# Altium PCB PCB_Droppy_v1.PcbDoc
Units mm, origin at the board's own origin, x right, y up, seen from the top; angles counter-clockwise.
Board outline 39 x 78 mm, 4 copper layers (Top Layer, Int1 (GND), Int2 (PWR), Bottom Layer), stack 1.54 mm thick; 48 components, 41 nets, 259 pads, 52 vias.
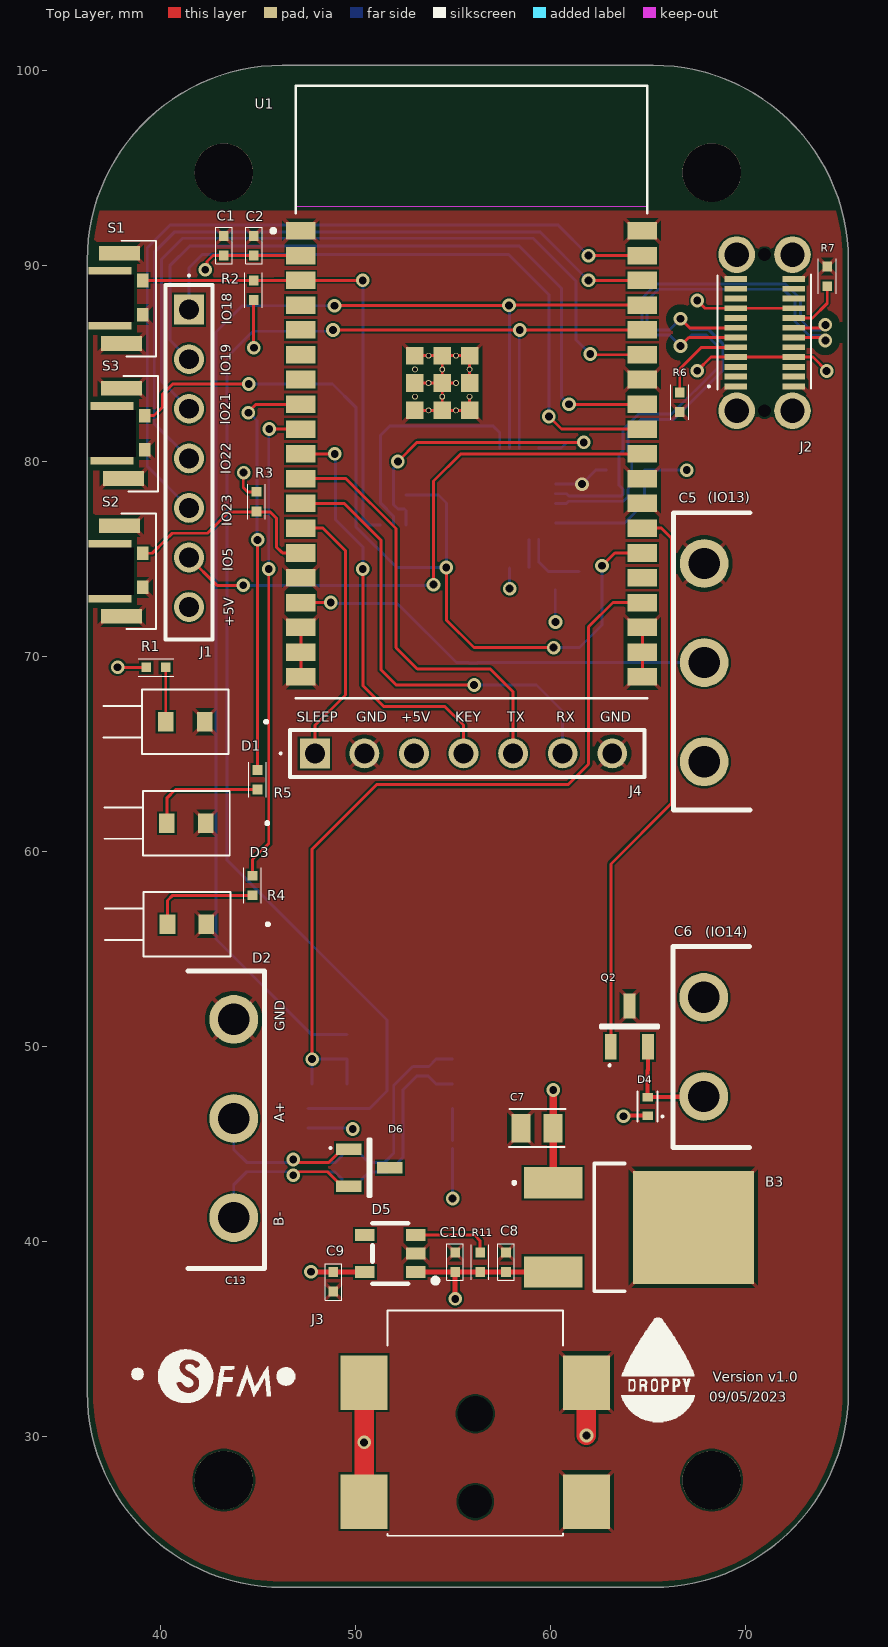
[diagram p0: Top Layer view]
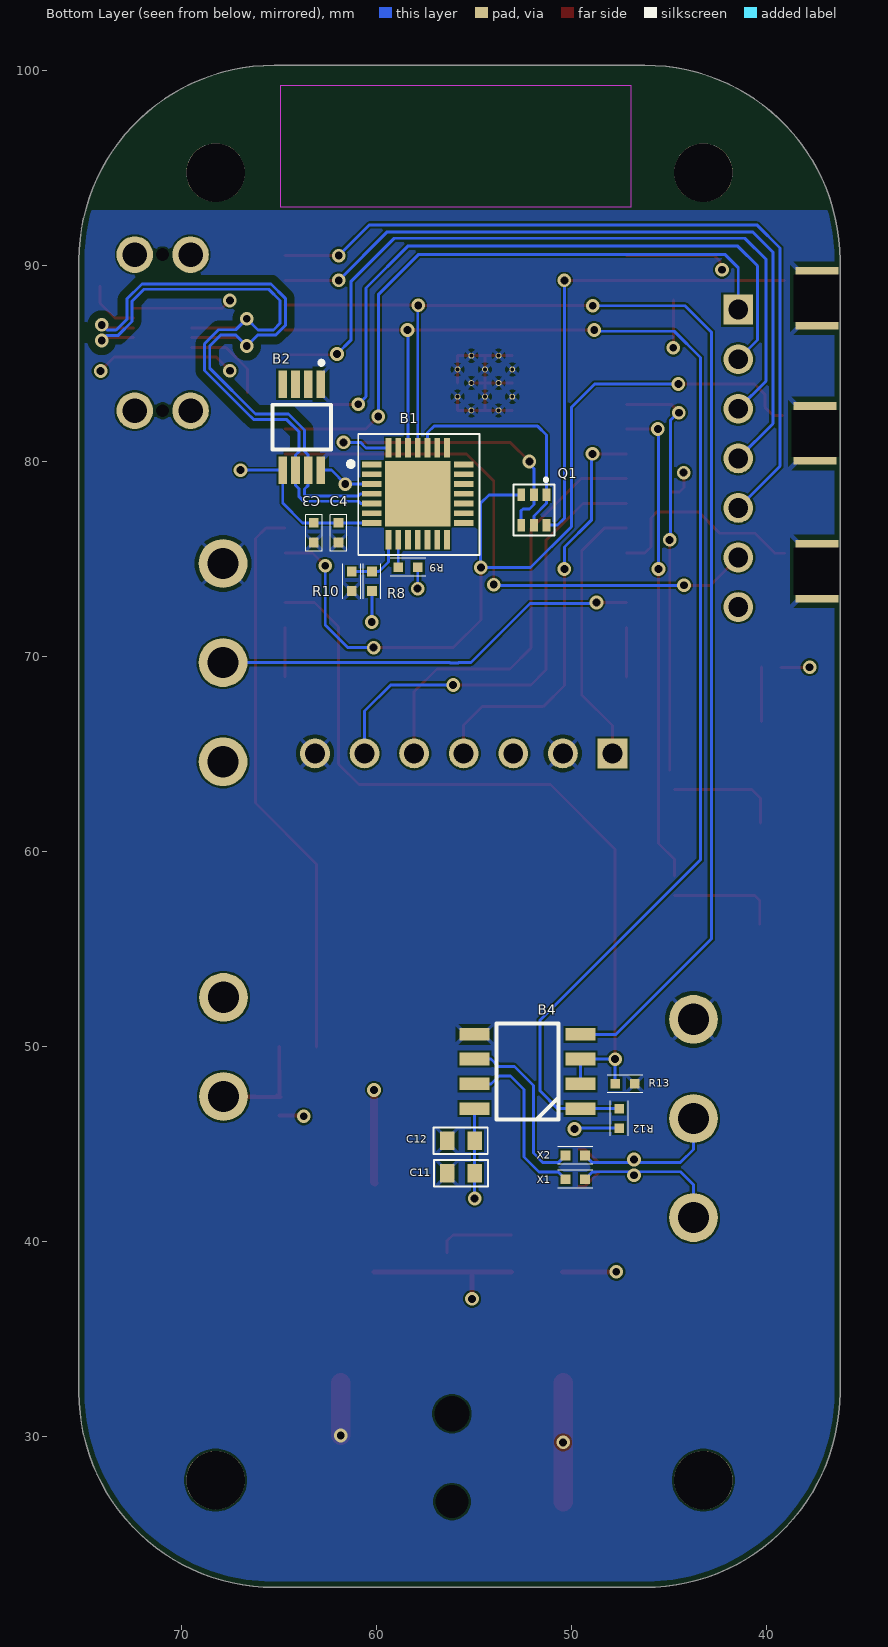
[diagram p1: Bottom Layer view, seen from below]
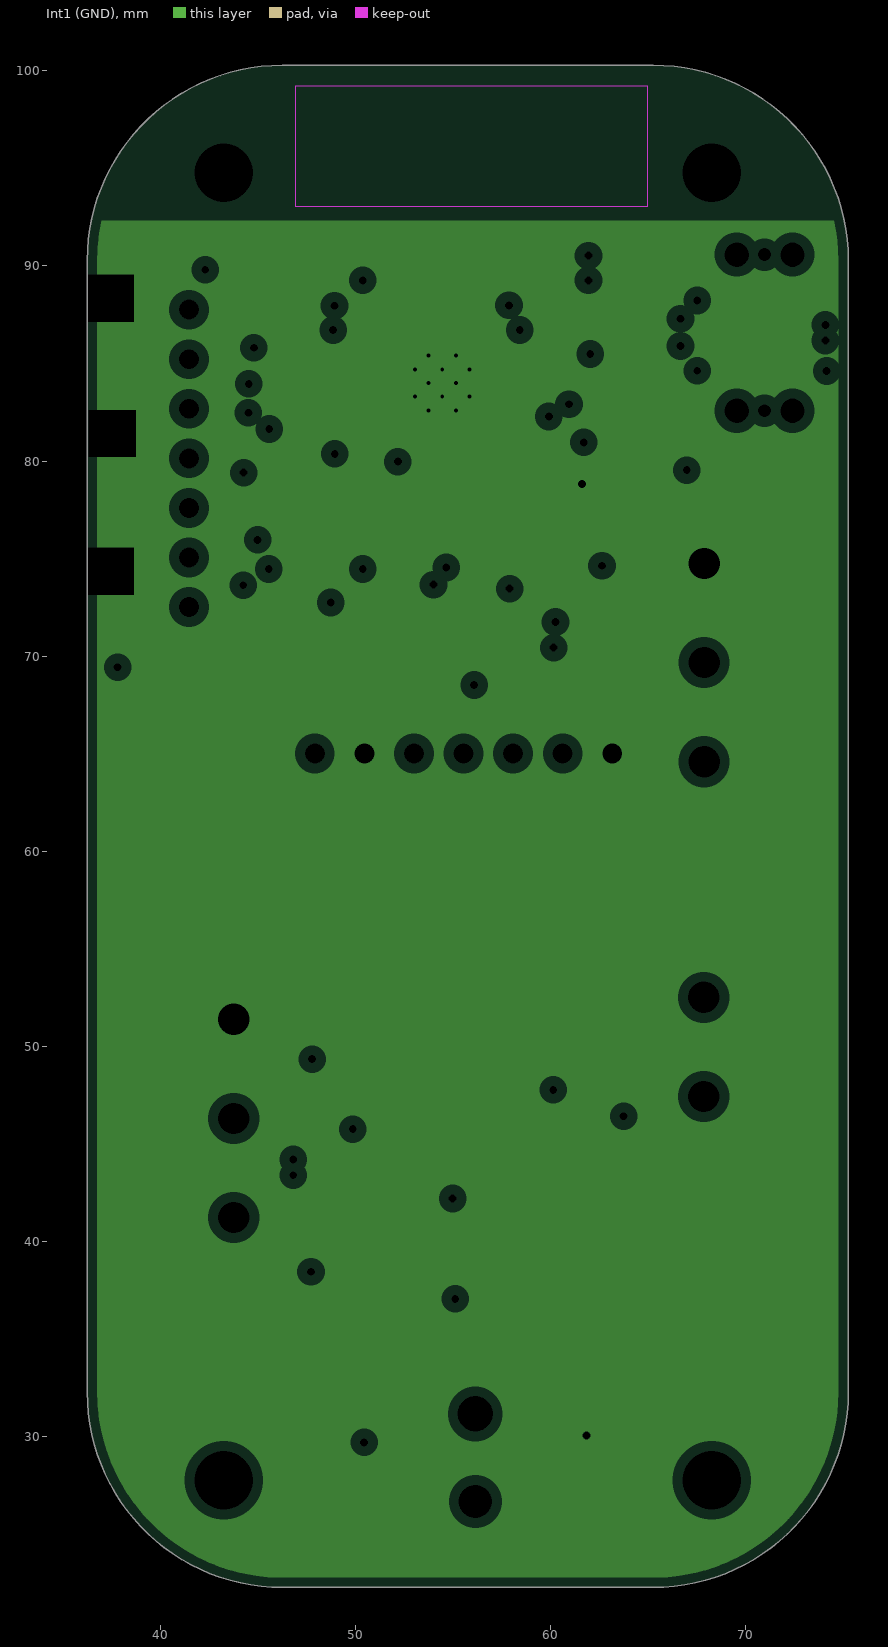
[diagram p2: Int1 (GND), clearances drawn from the general rule]
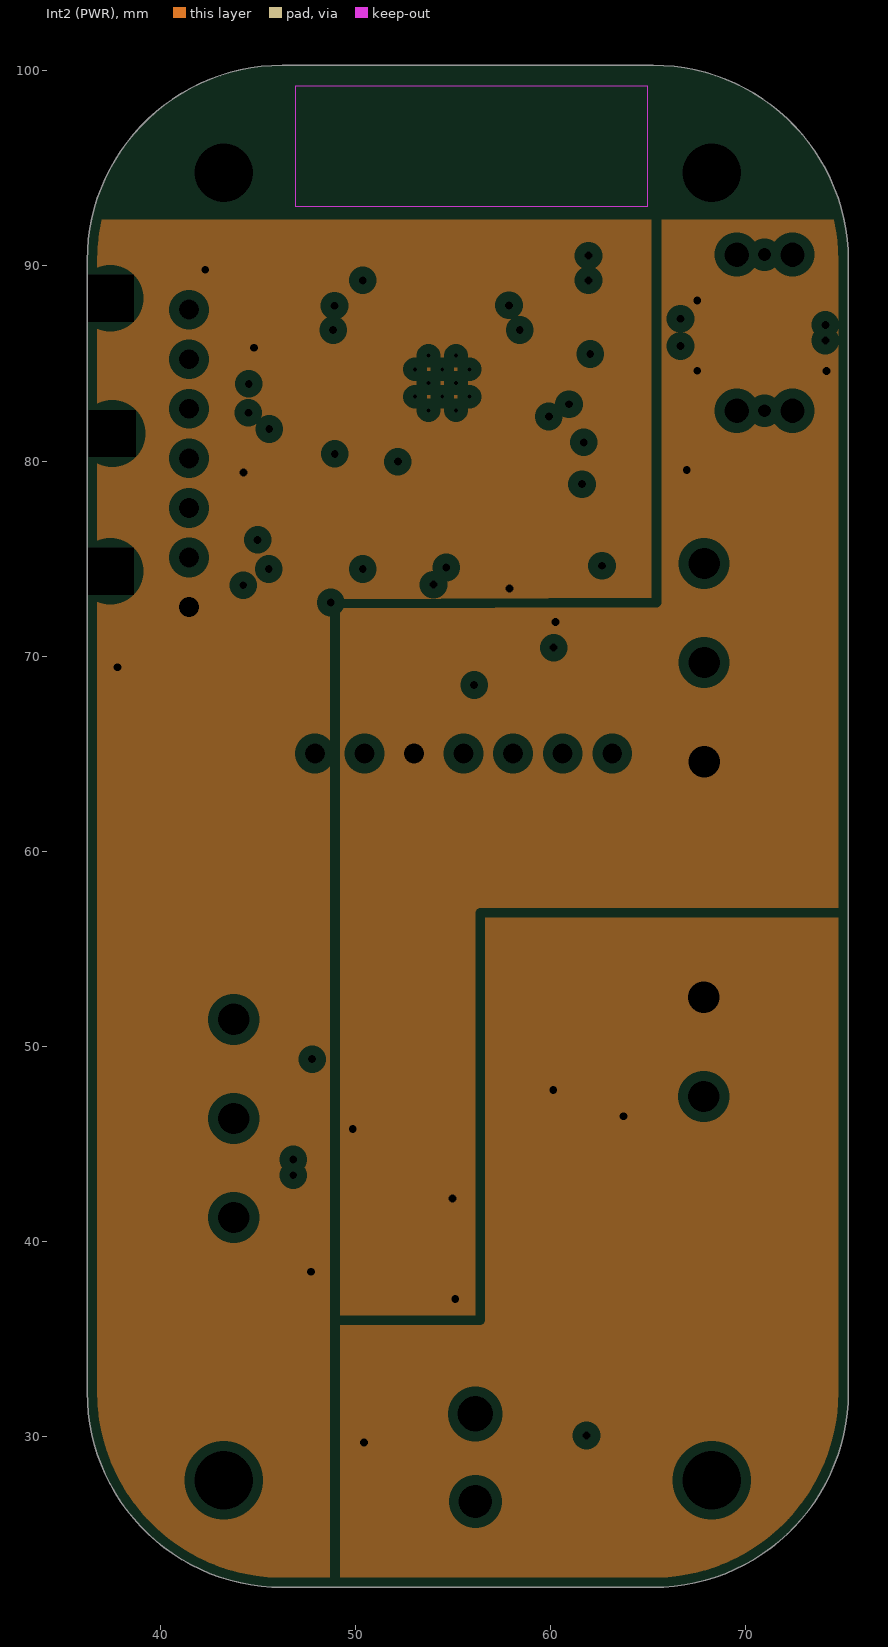
[diagram p3: Int2 (PWR), clearances drawn from the general rule]
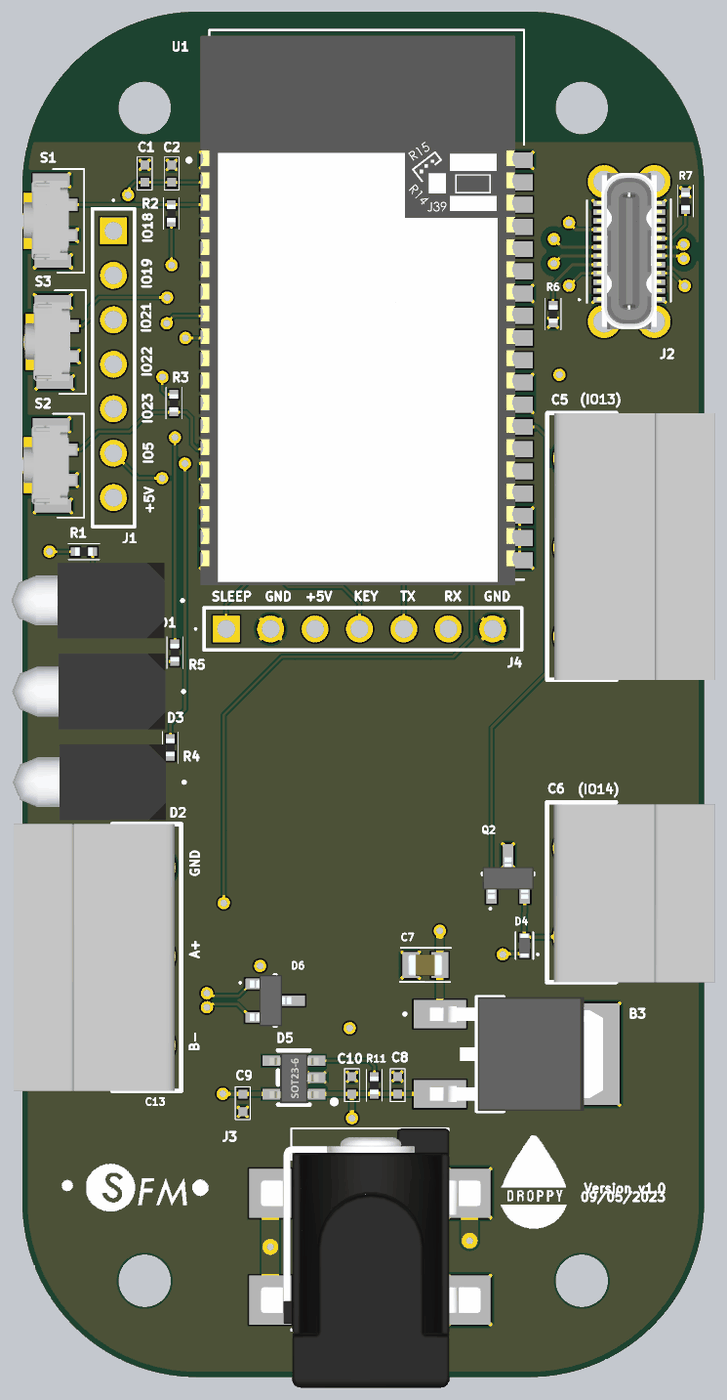
[diagram p4: 3D render of the assembled board from above, using the file's embedded part models]
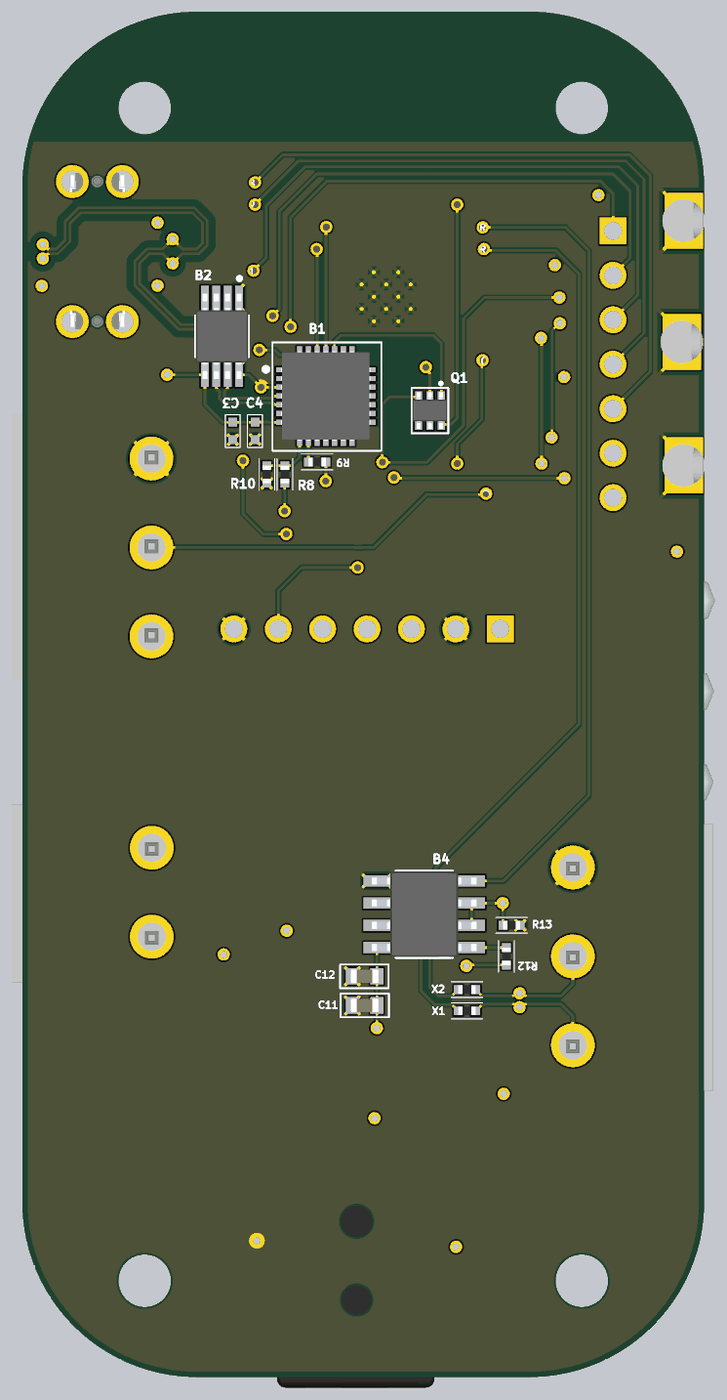
[diagram p5: 3D render of the assembled board from below, using the file's embedded part models]

## Layer stack, top to bottom
Top Solder: solder mask 0.0254, Solder Mask, Dk 4
Top Layer: signal copper 0.035
Dielectric 2: prepreg 0.2, Prepreg, Dk 4.29
Int1 (GND): plane copper 0.035, net GND
Core: core 1, FR-4, Dk 4.3
Int2 (PWR): plane copper 0.035, net (Multiple Nets)
Dielectric 4: prepreg 0.2, Prepreg, Dk 4.29
Bottom Layer: signal copper 0.035
Bottom Solder: solder mask 0.0254, Solder Mask, Dk 4

## Board outline
46.256,22.281 cw(c46.256,32.281) 36.256,32.281 36.256,90.281 cw(c46.256,90.281) 46.256,100.281 65.256,100.281 cw(c65.256,90.281) 75.256,90.281 75.256,32.281 cw(c65.256,32.281) 65.256,22.281

## Design rules (kind name [scope] priority, off if disabled: settings)
AssemblyTestPointUsage [All] p1 off:
AssemblyTestpoint [All] p1 off: testpointundercomponent=TRUE minsize=1.016 maxsize=2.54 preferedsize=1.524 minholesize=0 maxholesize=1.016 preferedholesize=0.813 testpointgrid=0.025 usegrid=TRUE gridtolerance=0 allowsidetop=TRUE allowsidebottom=TRUE
BoardOutlineClearance [NOT( InComponent('B1')or InComponent('J1') or   InComponent('B2') or InComponent('Q1') or InComponent('S1') or InComponent('S2')  or InComponent('S3')  )] p1: gap=0.3 ignorepadtopadclearanceinfootprint=FALSE
Clearance Clearance_1 [InDifferentialPair('USB')] p1: gap=0.1 ignorepadtopadclearanceinfootprint=TRUE except(0.4: Arc-Poly Track-Poly SMDPad-Poly THPad-Poly Via-Poly Fill-Poly Poly-Poly)
Clearance [All] p2: gap=0.1 ignorepadtopadclearanceinfootprint=TRUE
ComponentClearance [OnLayer('Top Assembly') or OnLayer('Bottom Assembly') or OnLayer('Top Overlay') or OnLayer('Bottom Overlay')] p1: gap=1 collisioncheckmode=3 verticalgap=2540 showdistances=TRUE
DiffPairsRouting DiffPairsRouting_2 [InDifferentialPair('RS485_1')] p1: maxlimit=0.332 minlimit=0.332 mostfreqgap=0.332 toplayer_minwidth=0.15 toplayer_maxwidth=0.15 toplayer_prefwidth=0.15 bottomlayer_minwidth=0.15 bottomlayer_maxwidth=0.15 bottomlayer_prefwidth=0.15 impedanceprofiledriven=TRUE impedanceprofileid={07AC286F-B6EA-4B5F-A1E4-99F7CC77B9E2} impedanceprofilevalue=120.000000 maxuncoupledlength=12.7
DiffPairsRouting DiffPairsRouting_1 [InDifferentialPair('RS485_0')] p2: maxlimit=0.332 minlimit=0.332 mostfreqgap=0.332 toplayer_minwidth=0.15 toplayer_maxwidth=0.15 toplayer_prefwidth=0.15 bottomlayer_minwidth=0.15 bottomlayer_maxwidth=0.15 bottomlayer_prefwidth=0.15 impedanceprofiledriven=TRUE impedanceprofileid={07AC286F-B6EA-4B5F-A1E4-99F7CC77B9E2} impedanceprofilevalue=120.000000 maxuncoupledlength=12.7
DiffPairsRouting [InDifferentialPair('USB')] p3: maxlimit=0.12 minlimit=0.117 mostfreqgap=0.12 toplayer_maxgap=0.117 toplayer_prefgap=0.117 toplayer_minwidth=0.15 toplayer_maxwidth=0.15 toplayer_prefwidth=0.15 bottomlayer_mingap=0.12 bottomlayer_minwidth=0.15 bottomlayer_maxwidth=0.15 bottomlayer_prefwidth=0.15 impedanceprofiledriven=TRUE impedanceprofileid={C19F2824-4150-42F4-A805-90C952ED150C} impedanceprofilevalue=90.000000 maxuncoupledlength=12.7
FabricationTestPointUsage [All] p1 off: valid=0 allowmultiple=FALSE
FabricationTestpoint [All] p1 off: side=3 testpointundercomponent=TRUE minsize=1.016 maxsize=2.54 preferedsize=1.524 minholesize=0 maxholesize=1.016 preferedholesize=0.813 testpointgrid=0.025 allowsidetop=TRUE allowsidebottom=TRUE usegrid=TRUE gridtolerance=0
FanoutControl Fanout_LCC [IsLCC] p2 off: bgadir=Out bgaviamode=Centered fanoutstyle=Auto fanoutdirection=Alternating viagrid=0.025 // Fanout_LCC (Default Rule)
FanoutControl Fanout_LCC_1 [IsLCC] p3 off: bgadir=Out bgaviamode=Centered fanoutstyle=Auto fanoutdirection=Alternating viagrid=0.025 // Fanout_LCC (Default Rule)
FanoutControl Fanout_SOIC [IsSOIC] p4 off: bgadir=Out bgaviamode=Centered fanoutstyle=Auto fanoutdirection=Alternating viagrid=0.025 // Fanout_SOIC (Default Rule)
FanoutControl Fanout_Small [(CompPinCount < 5)] p5 off: bgadir=Out bgaviamode=Centered fanoutstyle=Auto fanoutdirection=OutThenIn viagrid=0.025 // Fanout_Small (Default Rule)
Height [All] p1 off: minheight=0 maxheight=350 prefheight=12.7
HoleSize [All] p1: absolutevalues=TRUE maxlimit=5 minlimit=0.2 maxpercent=80.000 minpercent=20.000
HoleToHoleClearance [All] p1: gap=0.25 allowstackedmicrovias=FALSE
MatchedLengths [All] p1: tolerance=0.5 checknetsindiffpair=TRUE checkdiffpairvsdiffpair=FALSE checkxsignals=FALSE checkothers=FALSE usedelayunits=TRUE delaytolerance=10.000000
MinimumAnnularRing [not IsComponentPad] p1: minimumring=0.13
MinimumSolderMaskSliver MinimumSolderMaskSliver_1 [NOT( InComponent('B1')or InComponent('J1') or   InComponent('B2') or InComponent('Q1') or InComponent('S1') or InComponent('S2')  or InComponent('S3')  )] p1: minsoldermaskwidth=0.1
PlaneClearance [All] p1: clearance=0.508
PlaneConnect [All] p1: pad.planeconnectstyle=Relief pad.reliefexpansion=0.2 pad.reliefentries=4 pad.reliefconductorwidth=0.2 pad.reliefairgap=0.2 via.planeconnectstyle=Direct via.reliefexpansion=0.508 via.reliefentries=4 via.reliefconductorwidth=0.254 via.reliefairgap=0.254
PolygonConnect PolygonConnect_5 [All vs InNet('+5V')] p1: connectstyle=Direct reliefconductorwidth=0.254 reliefentries=4 polygonreliefangle="90 Angle" airgapwidth=0.254
PolygonConnect PolygonConnect_4 [All vs InNet('NetC6_1')] p2: connectstyle=Direct reliefconductorwidth=0.254 reliefentries=4 polygonreliefangle="90 Angle" airgapwidth=0.254
PolygonConnect PolygonConnect_3 [All vs InNet('+12V')] p3: connectstyle=Direct reliefconductorwidth=0.254 reliefentries=4 polygonreliefangle="90 Angle" airgapwidth=0.254
PolygonConnect PolygonConnect_2 [All vs InNet('GND')] p4 off: thpad.connectstyle=Relief thpad.reliefconductorwidth=0.2 thpad.reliefentries=4 thpad.polygonreliefangle="90 Angle" thpad.airgapwidth=0.2 smdpad.connectstyle=Relief smdpad.reliefconductorwidth=0.2 smdpad.reliefentries=4 smdpad.polygonreliefangle="90 Angle" smdpad.airgapwidth=0.2 via.connectstyle=Direct via.reliefconductorwidth=0.254 via.reliefentries=4 via.polygonreliefangle="90 Angle" via.airgapwidth=0.254
PolygonConnect PolygonConnect_1 [All vs InNet('+5V')] p5 off: thpad.connectstyle=Relief thpad.reliefconductorwidth=0.15 thpad.reliefentries=4 thpad.polygonreliefangle="90 Angle" thpad.airgapwidth=0.15 smdpad.connectstyle=Relief smdpad.reliefconductorwidth=0.15 smdpad.reliefentries=4 smdpad.polygonreliefangle="90 Angle" smdpad.airgapwidth=0.15 via.connectstyle=NoConnect via.reliefconductorwidth=0.254 via.reliefentries=4 via.polygonreliefangle="90 Angle" via.airgapwidth=0.254
PolygonConnect [All] p6: thpad.connectstyle=Relief thpad.reliefconductorwidth=0.2 thpad.reliefentries=4 thpad.polygonreliefangle="45 Angle" thpad.airgapwidth=0.2 smdpad.connectstyle=Relief smdpad.reliefconductorwidth=0.2 smdpad.reliefentries=4 smdpad.polygonreliefangle="45 Angle" smdpad.airgapwidth=0.2 via.connectstyle=Direct via.reliefconductorwidth=0.254 via.reliefentries=4 via.polygonreliefangle="90 Angle" via.airgapwidth=0.254
RoutingVias [All] p1: holewidth=0.4 width=0.7 viastyle="Through Hole" minholewidth=0.4 minwidth=0.66 maxholewidth=1 maxwidth=1.26
SMDEntry [All] p1: side=TRUE corner=TRUE anyangle=FALSE
SMDNeckDown [All] p1: percent=50.000
SMDToCorner [All] p1: distance=0
SilkToSilkClearance [NOT( InComponent('B1')or InComponent('J1') or   InComponent('B2') or InComponent('Q1') or InComponent('S1') or InComponent('S2')  or InComponent('S3')  )] p1: silktosilkclearance=0.2
SilkToSolderMaskClearance [NOT( InComponent('B1')or InComponent('J1') or   InComponent('B2') or InComponent('Q1') or InComponent('S1') or InComponent('S2')  or InComponent('S3')  )] p1: minsilkscreentomaskgap=0.05 clearancetoexposedcopper=FALSE
SolderMaskExpansion SolderMaskExpansion_1 [All] p1: expansion=0.1 istentingtop=FALSE
UnRoutedNet [All] p1: checkbadconnections=TRUE
Width [All] p1: maxlimit=1 minlimit=0.1 preferedwidth=0.15
11 further rules are at their usual default settings.

## Classes and differential pairs
component class Sensor: C5 C6 D4 Q2
component class USB: B1 B2 C3 C4 J2 Q1 R6 R7 R8 R9 R10
component class Power: B3 C7 C8 C9 C10 D5 J3 R11
component class Designator: C1 C2 D1 D2 D3 J1 R1 R2 R3 R4 R5 S1 S2 S3 U1
differential pair RS485_1: +RS485_1_P -RS485_1_N
differential pair RS485_0: +RS485_0_P -RS485_0_N
differential pair USB: +USB_P -USB_N

## Components (designator, comment, footprint, x,y, rotation, side; value= is the part's Value field where it differs from the comment)
B1 "CP2102N-A02-GQFN28R" QFN50P500X500X80-29N-D 57.895,78.325 r180 bottom
B2 "SP0506BAATG" SOP65P488X117-8N 63.835,81.738 r270 bottom
B3 "MC7805CDTG" MC7805CDTG 65.286,40.73 r270 top
B4 "THVD1410DR" SOIC127P600X175-8N 52.27,48.721 r0 bottom
C1 "0402YD104KAT2A" CAPC1005X40N 43.256,91.03 r270 top value=0.1uF
C2 "0402ZD223KAT2A" CAPC1005X40N 44.796,91.03 r270 top value=0.022nF
C3 "04023C104KAT4A" CAPC1005X40N 63.219,76.334 r90 bottom value=1uF
C4 "0402YD104KAT2A" CAPC1005X40N 61.949,76.334 r90 bottom value=0.1uF
C5 "10030000282" 15EDGRC-5.08-03P-10030000282 66.67,77.353 r270 top
C6 "10030000281" 5EDGRHC-7.62-02P-10020000939 66.65,55.12 r270 top
C7 "CGA4J1X8L1H334K125AC" CAPC2012X145N 59.304,45.813 r0 top
C8 "0402YD104KAT2A" CAPC1005X40N 57.721,38.945 r270 top value=0.1uF
C9 "0402YD475MAT2A" CAPC1005X40N 48.866,37.941 r90 top value=4.7uF
C10 "0402YD475MAT2A" CAPC1005X40N 55.111,38.945 r270 top value=4.7uF
C11 "GRM188R71E104KA01D" CAPC1608X90N 55.681,43.513 r180 bottom
C12 "GRM188R71E104KA01D" CAPC1608X90N 55.681,45.178 r0 bottom
C13 "10030000282" 15EDGRC-5.08-03P-10030000282 44.966,38.633 r90 top
D1 "594-2401-002F" 5942604013F 41.275,66.646 r0 top
D2 "594-2901-002F" 5942604013F 41.365,56.266 r0 top
D3 "594-2901-002F" 5942604013F 41.33,61.446 r0 top
D4 "RB520CM-60T2R" 1SS400CSFHT2RA 64.973,46.931 r180 top
D5 "ME6217C33M5G" SOT-23-5_L2.9-W1.6-P0.95-LS2.8-BR 53.541,41.173 r180 top
D6 "CDSOT23-SM712" SOT95P237X112-3N 50.717,43.79 r0 top
J1 "54101-S0807LF" 54101S0807LF 41.47,87.76 r270 top
J2 "USB4160-03-0170-C" USB4160030170C 70.965,86.58 r90 top
J3 "PJ-002AH-SMT-TR" PJ002AHSMTTR 56.14,29.08 r90 top
J4 "54101-S0807LF" 54101S0807LF 47.92,65.02 r0 top
Q1 "UMH3NTN" UMH3NTN 51.943,77.494 r270 bottom
Q2 "IRLML6346TRPBF" SOT95P237X112-3N 64.04,51.03 r90 top
R1 "CRCW0402100RFKEDC" RESC1005X40N 39.78,69.431 r0 top value="40.2 ohm"
R2 "RC0402FR-0710KL" RESC1005X40N 44.787,88.754 r270 top value=10k
R3 "RT0402BRE071KL" RESC1005X40N 44.927,77.923 r270 top value=1k
R4 "CRCW0402100RFKEDC" RESC1005X40N 44.73,58.25 r270 top value=80.6
R5 "CRCW0402100RFKEDC" RESC1005X40N 44.98,63.665 r270 top value=80.6
R6 "CRCW04025K10FKED" RESC1005X40N 66.618,83.017 r270 top value=5.1k
R7 "CRCW04025K10FKED" RESC1005X40N 74.177,89.465 r90 top value=5.1k
R8 "CRCW040222K1FKED" RESC1005X40N 60.241,73.843 r270 bottom value=22.1k
R9 "CRCW04024K70JNED" RESC1005X40N 58.395,74.56 r0 bottom value=4.7k
R10 "CRCW040247K5FKED" RESC1005X40N 61.277,73.843 r90 bottom value=22.5k
R11 "RT0402BRE071KL" RESC1005X40N 56.39,38.945 r90 top value=1k
R12 "RC0402FR-0710KL" RESC1005X40N 47.57,46.317 r270 bottom value=10k
R13 "RC0402FR-0710KL" RESC1005X40N 47.272,48.089 r0 bottom value=10k